# Altium PCB 水杯V1.2_ZM_20210817.PcbDoc
Units mil, origin at the board's own origin, x right, y up, seen from the top; angles counter-clockwise.
Board outline 2539.37 x 2480.32 mil, 2 copper layers (Top Layer, Bottom Layer), stack 65.792 mil thick; 139 components, 83 nets, 377 pads, 311 vias.
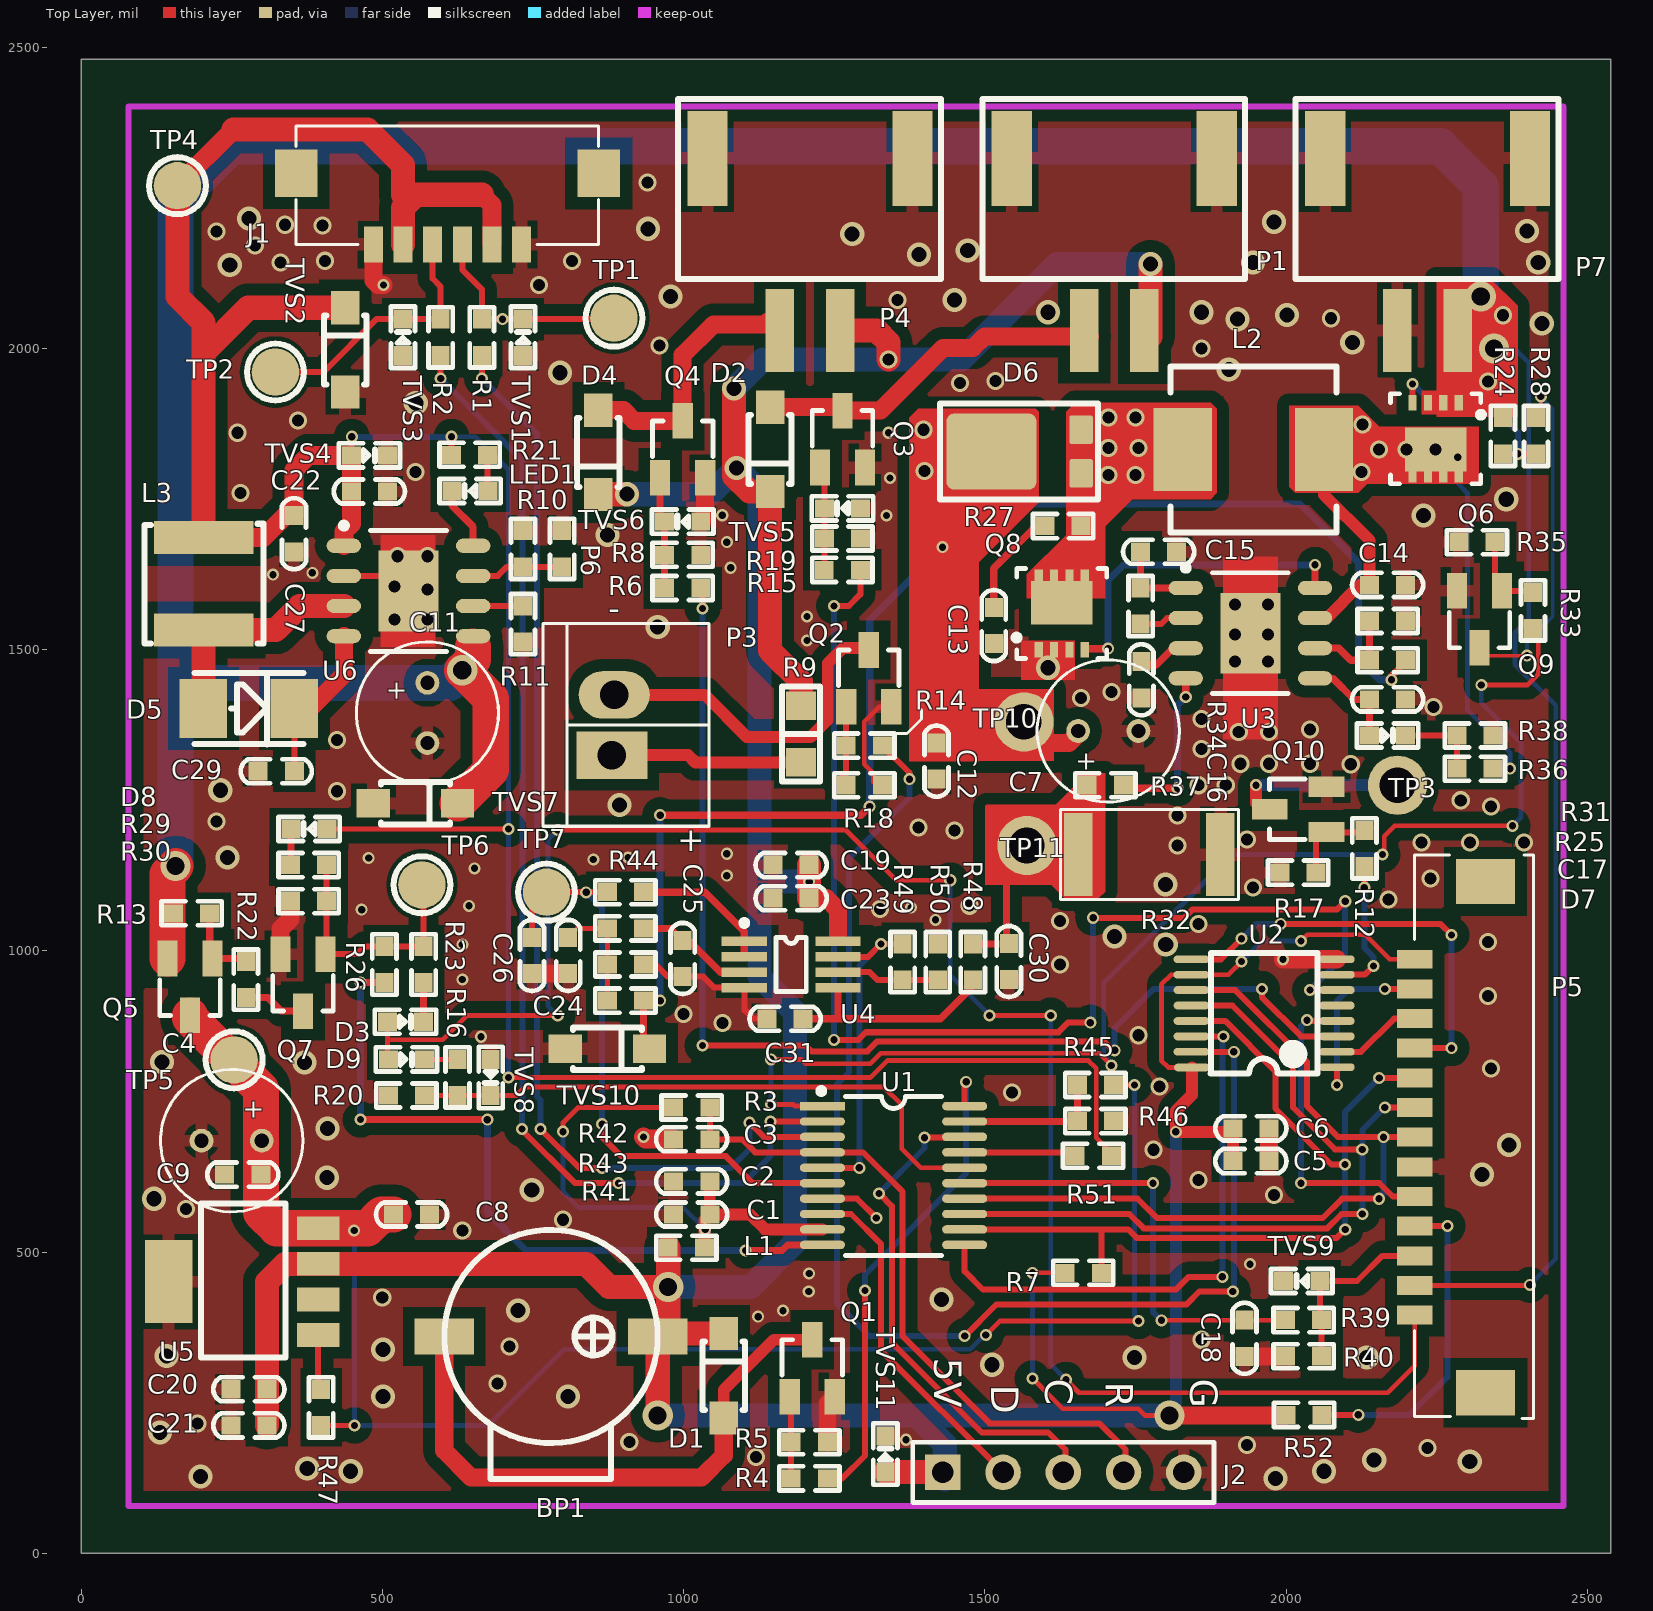
[diagram p0: Top Layer view]
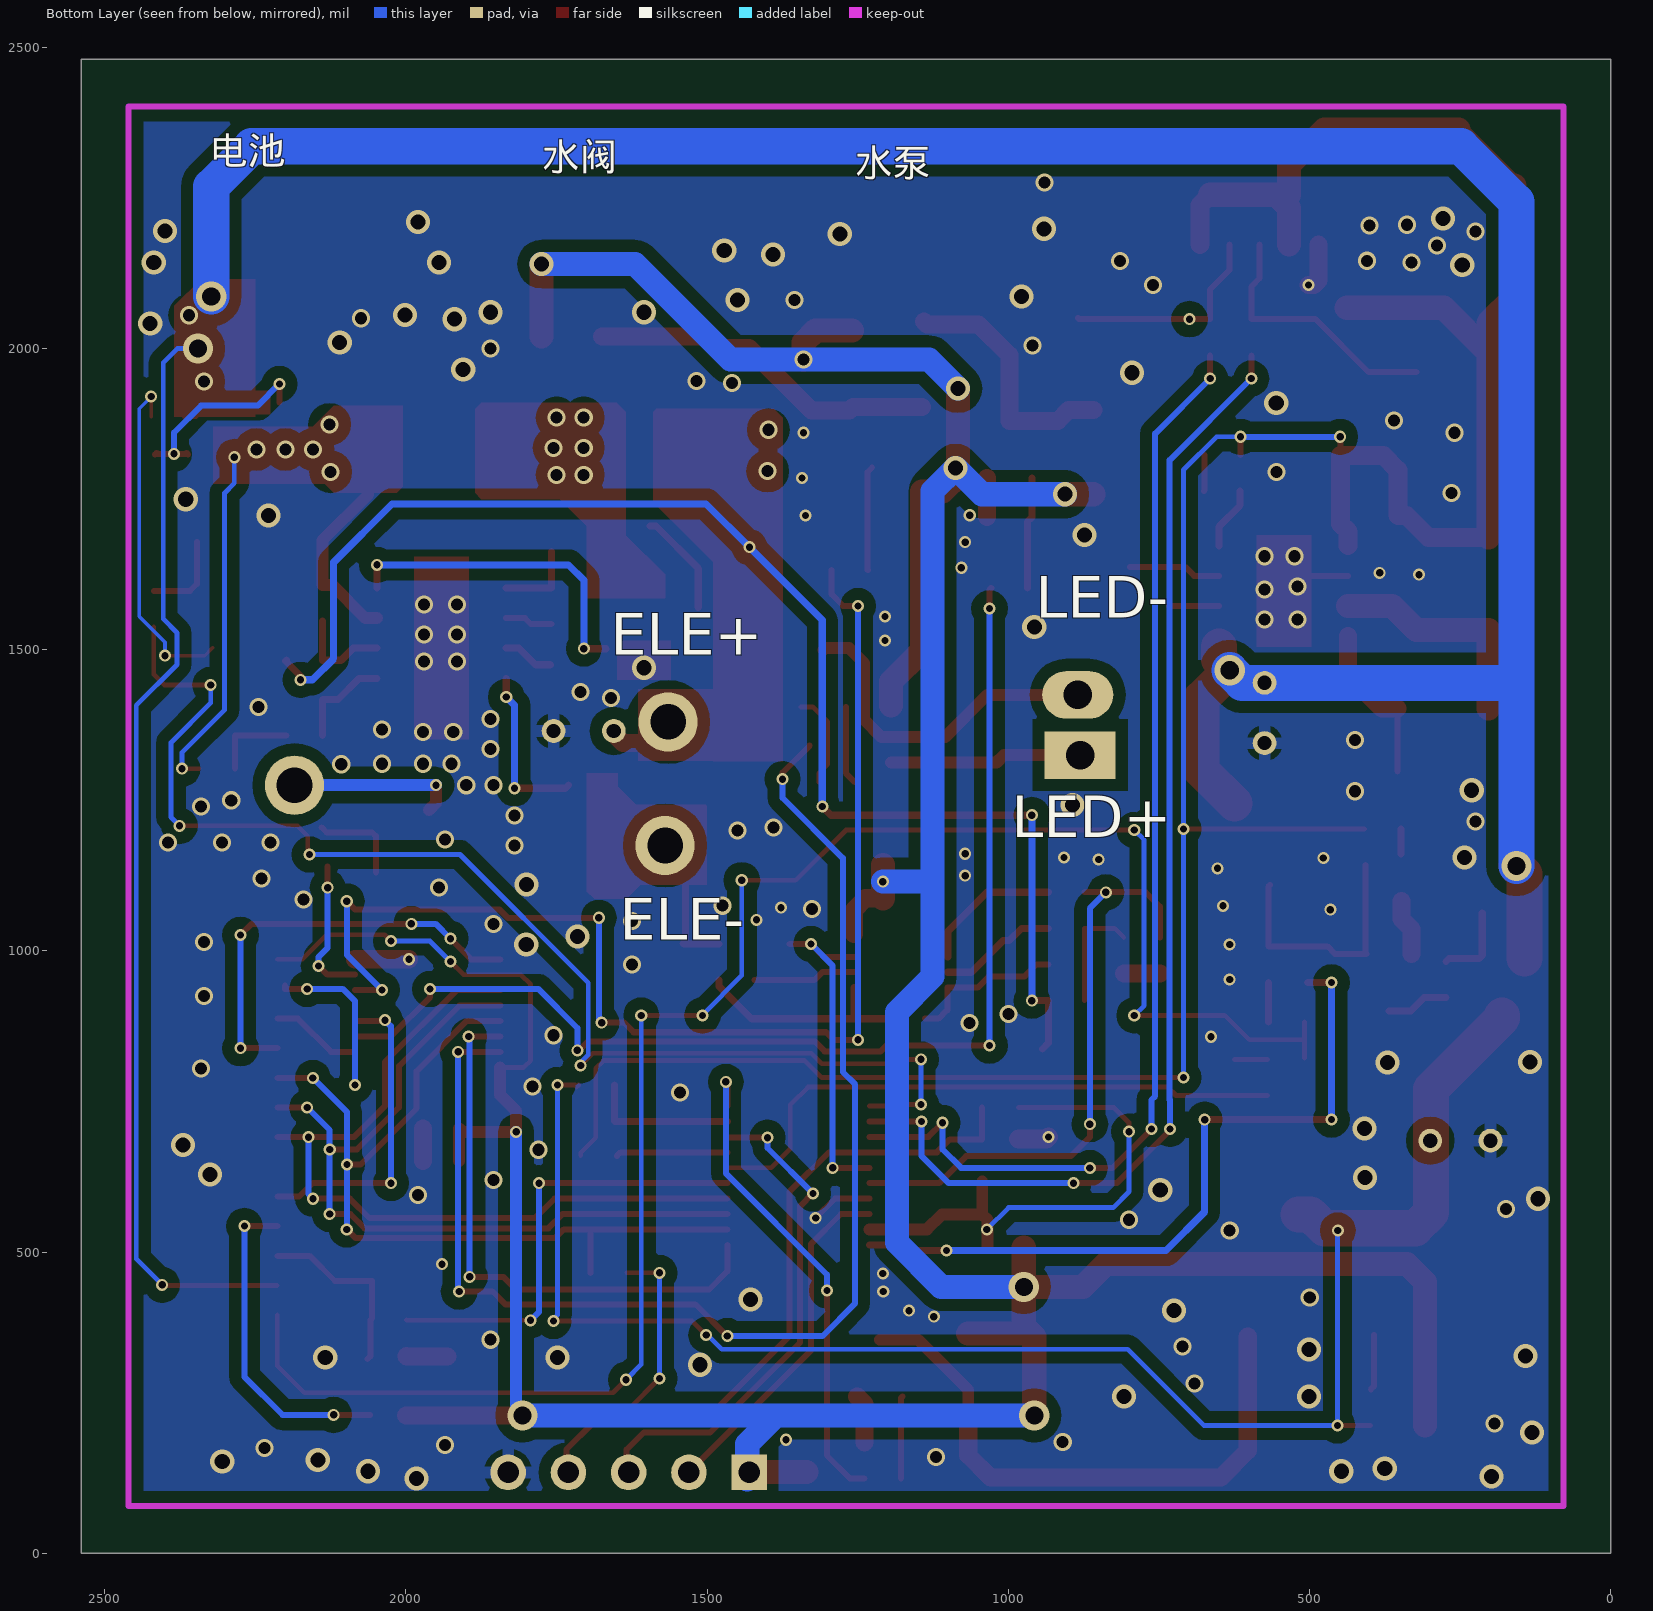
[diagram p1: Bottom Layer view, seen from below]
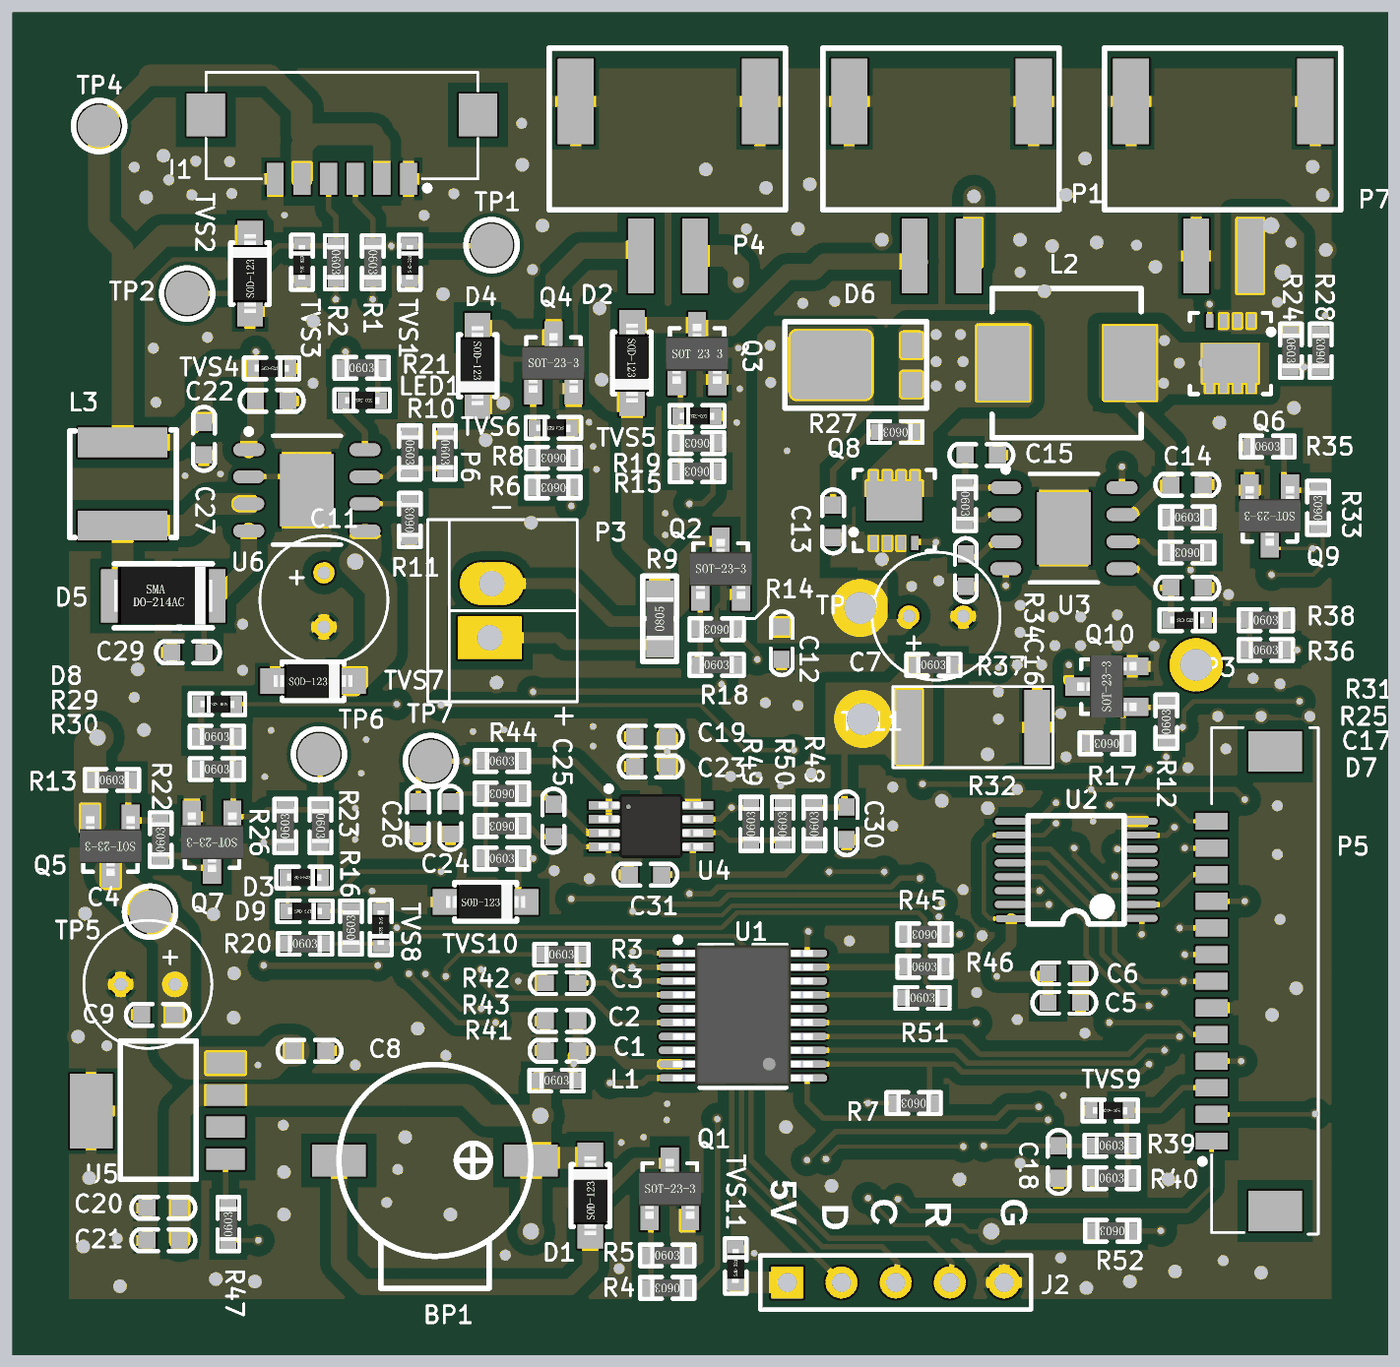
[diagram p2: 3D render of the assembled board from above, using the file's embedded part models]

## Layer stack, top to bottom
Top Solder: solder mask 0.4, Solder Resist, Dk 3.5
Top Layer: signal copper 1.4
Dielectric1: dielectric 62.9921, FR-4, Dk 4.8
Bottom Layer: signal copper 1.4
Bottom Solder: solder mask 0.4, Solder Resist, Dk 3.5

## Board outline
0,0 2539.37,0 2539.37,2480.32 0,2480.32

## Design rules (kind name [scope] priority, off if disabled: settings)
Clearance Clearance_1 [All vs InPolygon] p1: gap=20
Clearance [All] p2: gap=4
HoleSize [All] p1: absolutevalues=TRUE maxlimit=3000 minlimit=5 maxpercent=80.000 minpercent=20.000
MinimumSolderMaskSliver [All] p1: minsoldermaskwidth=1
NetAntennae [All] p1: netantennaetolerance=100
PolygonConnect PolygonConnect_1 [isvia] p1: connectstyle=Direct reliefconductorwidth=10 reliefentries=4 polygonreliefangle="90 Angle" airgapwidth=10
PolygonConnect [All] p2: connectstyle=Relief reliefconductorwidth=20 reliefentries=4 polygonreliefangle="90 Angle" airgapwidth=10
RoutingVias [All] p1: holewidth=28 width=50 viastyle="Through Hole" minholewidth=28 minwidth=50 maxholewidth=28 maxwidth=50
SolderMaskExpansion [All] p1: expansion=4
Width [All] p1: maxlimit=200 minlimit=6 preferedwidth=10
27 further rules are at their usual default settings.

## Classes and differential pairs
component class "MCU ": BP1 C1 C2 C3 C5 C6 D1 D2 D4 J1 J2 L1 P1 P3 P4 P5 Q1 Q2 Q3 Q4 Q10 R1 R2 R3 R4 R5 R6 R7 R8 R9 R12 R14 R15 R17 R18 R19 R45 R46 R51 TP1 TP2 TP3 TVS1 TVS2 TVS3 TVS5 TVS6 U1 U2
component class POWER: C4 C7 C8 C9 C11 C12 C13 C14 C15 C16 C17 C18 C19 C20 C21 C22 C23 C24 C25 C26 C27 C29 C30 C31 D3 D5 D6 D7 D8 D9 L2 L3 LED1 P6 P7 Q5 Q6 Q7 Q8 Q9 R10 R11 R13 R16 R20 R21 R22 R23 R24 R25 R26 R27 R28 R29 R30 R31 R32 R33 R34 R35 R36 R37 R38 R39 R40 R41 R42 R43 R44 R47 R48 R49 R50 R52 TP4 TP5 TP6 TP7 TP10 TP11 TVS4 TVS7 TVS8 TVS9 TVS10 TVS11 U3 U4 U5 U6

## Components (designator, comment, footprint, x,y, rotation, side; value= is the part's Value field where it differs from the comment)
BP1 "KLJ-9032" SP9025 780,360 r0 top
C1 "10uF/25V" SMD-0603C 1013.6,562.43 r0 top
C2 "0.1uF/50V" SMD-0603C 1013.6,617.43 r0 top
C3 "0.1uF/50V" SMD-0603C 1013.6,687.28 r180 top
C4 "100uF/35V" 6*8 250,685 r0 top
C5 "10uF/25V" SMD-0603C 1941.71,651.04 r180 top
C6 "0.1uF/50V" SMD-0603C 1941.71,705.48 r180 top
C7 "100uF/35V" 6*8 1705,1365 r180 top
C8 "0.1uF/50V" SMD-0603C 548.6,562.43 r0 top
C9 "0.1uF/50V" SMD-0603C 268.49,628.73 r0 top
C11 "100uF/35V" 6*8 575,1395 r90 top
C12 "0.1uF/50V" SMD-0603C 1420,1315 r270 top
C13 "0.1uF/50V" SMD-0603C 1515,1540 r270 top
C14 "0.1uF/50V" SMD-0603C 2168.6,1607.43 r180 top
C15 "0.1uF/50V" SMD-0603C 1788.6,1662.43 r180 top
C16 "0.1uF/50V" SMD-0603C 1760,1450 r90 top
C17 "0.1uF/50V" SMD-0603C 2168.6,1417.43 r180 top
C18 "0.1uF/50V" SMD-0603C 1931.18,357.08 r90 top
C19 "10uF/25V" SMD-0603C 1178.6,1142.43 r0 top
C20 "0.1uF/50V" SMD-0603C 278.6,272.43 r180 top
C21 "10uF/25V" SMD-0603C 278.6,212.43 r0 top
C22 "10uF/25V" SMD-0603C 478.6,1762.43 r180 top
C23 "0.1uF/50V" SMD-0603C 1178.6,1087.43 r0 top
C24 "0.1uF/50V" SMD-0603C 808.6,992.43 r90 top
C25 "0.1uF/50V" SMD-0603C 998.6,987.43 r90 top
C26 "100pF/50V" SMD-0603C 748.6,992.43 r270 top
C27 "1uF/50V" SMD-0603C 353.6,1692.43 r270 top
C29 "22uF/35V" SMD-0603C 324.06,1298.14 r0 top
C30 "0.1uF/50V" SMD-0603C 1540,982.43 r90 top
C31 "0.1uF/50V" SMD-0603C 1168.6,887.43 r0 top
D1 "1N4148" SOD-123 1066.8,294.95 r90 top
D2 "1N4148" SOD-123 1143.6,1832.43 r270 top
D3 "1N4148" SOD-523 538.6,882.43 r0 top
D4 "1N4148" SOD-123 858.6,1827.43 r270 top
D5 "SS34" DO-214-AC 278.6,1402.43 r0 top
D6 "SVM1045V2" TO227 1532.05,1828.78 r90 top
D7 "1N4148" SOD-523 2168.6,1357.43 r0 top
D8 "1N4148" SOD-523 378.6,1202.43 r180 top
D9 "1N4148" SOD-523 540,820 r0 top
J1 "6×1.25mmSMT" 6×1.25mmSMT 731.24,2172.43 r180 top
J2 "OCDD" sip-5 1630.42,134.58 r0 top
L1 "GZ1608D101TF" SMD-0603 1004.6,507.43 r0 top
L2 "15uH/4A" INDUCTOR7*7 2062.86,1832.43 r180 top
L3 "SWPA5040-2.2uH" INDUCTOR_5*5 203.6,1685.98 r270 top
LED1 "蓝光 3528" SMD-0603D 645.81,1763.36 r180 top
P1 "" 2*2.54mmSMT 1765.08,2030 r180 top
P3 "Header 2" 2X2.54MMZ 881.06,1325 r90 top
P4 "" 2*2.54mmSMT 1260,2030 r180 top
P5 "Header 13" 13×1.25mmSMT 2213.6,395.58 r90 top
P6 "NTC0603-104J4000NT" SMD-0603 798.6,1667.43 r270 top
P7 "PH2.0-2P-LI" 2*2.54mmSMT 2284.92,2030 r180 top
Q1 "S8050" SOT-23 1213.6,307.43 r0 top
Q2 "S8050" SOT-23 1307.4,1452.24 r0 top
Q3 "AO3400" SOT-23 1263.76,1849.54 r0 top
Q4 "AO3400" SOT-23 998.6,1832.43 r0 top
Q5 "AO3401" SOT-23 181.01,940.19 r180 top
Q6 "AON3419" DFN3*3-8 2248.39,1849.96 r180 top
Q7 "S8050" SOT-23 368.6,947.43 r180 top
Q8 "AON7506" DFN3*3-8 1627.8,1560.04 r0 top
Q9 "S8050" SOT-23 2321.01,1550.19 r180 top
Q10 "S8050" SOT-23 2020,1235 r90 top
R1 "1K" SMD-0603 665.27,2018.43 r270 top
R2 "1K" SMD-0603 596.94,2018.43 r270 top
R3 "10K" SMD-0603 1013.6,740.07 r0 top
R4 "4.7K" SMD-0603 1208.76,124.54 r180 top
R5 "47K" SMD-0603 1208.76,184.54 r0 top
R6 "100R" SMD-0603 998.6,1602.43 r180 top
R7 "10K" SMD-0603 1663.45,465.76 r180 top
R8 "10K" SMD-0603 998.6,1657.43 r180 top
R9 "100R" SMD-0805 1195,1360 r90 top
R10 "82K/1%" SMD-0603 733.6,1667.43 r270 top
R11 "10K/0.1%" SMD-0603 733.6,1542.43 r90 top
R12 "1K" SMD-0603 2130,1170 r90 top
R13 "47K" SMD-0603 183.6,1062.43 r0 top
R14 "1K" SMD-0603 1300,1340.76 r180 top
R15 "100R" SMD-0603 1263.6,1632.43 r180 top
R16 "6.8K" SMD-0603 625,790 r90 top
R17 "47K" SMD-0603 2020,1130 r180 top
R18 "47K" SMD-0603 1300,1275 r0 top
R19 "10K" SMD-0603 1263.76,1684.54 r180 top
R20 "10K" SMD-0603 540,760 r0 top
R21 "1K" SMD-0603 644.81,1823.36 r0 top
R22 "1K" SMD-0603 273.6,952.43 r90 top
R23 "6.8K" SMD-0603 568.6,977.43 r270 top
R24 "47K" SMD-0603 2360,1855 r270 top
R25 "130K/1%" SMD-0603 2168.6,1482.43 r180 top
R26 "1K" SMD-0603 503.6,977.43 r90 top
R27 "1K" SMD-0603 1630,1705 r180 top
R28 "1K" SMD-0603 2415,1855 r90 top
R29 "1K" SMD-0603 377.6,1142.43 r0 top
R30 "10K" SMD-0603 377.6,1082.43 r0 top
R31 "8.6K/1%" SMD-0603 2168.6,1547.43 r0 top
R32 "0.2/1W" 2512R 1891.22,1160 r180 top
R33 "1K" SMD-0603 2410,1565 r90 top
R34 "100K" SMD-0603 1758.6,1572.43 r270 top
R35 "47K" SMD-0603 2316.93,1678.34 r0 top
R36 "62K" SMD-0603 2313.6,1302.43 r0 top
R37 "10K/0.1%" SMD-0603 1700,1275 r0 top
R38 "22K" SMD-0603 2313.6,1357.43 r0 top
R39 "1K" SMD-0603 2029.07,387.23 r0 top
R40 "5.1K" SMD-0603 2029.07,327.23 r0 top
R41 "100K" SMD-0603 903.6,917.43 r0 top
R42 "10K" SMD-0603 903.6,1037.43 r180 top
R43 "10K" SMD-0603 903.6,977.43 r180 top
R44 "1K" SMD-0603 903.6,1097.43 r0 top
R45 "100K" SMD-0603 1683.6,777.43 r180 top
R46 "100K" SMD-0603 1683.6,717.43 r0 top
R47 "10K" SMD-0603 398.6,242.43 r90 top
R48 "10K" SMD-0603 1480.27,981.43 r90 top
R49 "100K" SMD-0603 1363.6,981.43 r90 top
R50 "10K" SMD-0603 1421.94,981.43 r90 top
R51 "10K" SMD-0603 1680,660 r0 top
R52 "1K" SMD-0603 2030,230 r180 top
TP1 "testpoint" TP 884.53,2050.07 r0 top
TP2 "testpoint" TP 322.62,1960.67 r0 top
TP3 "TPS" HOLE 2185,1275 r0 top
TP4 "testpoint" TP 160,2270 r0 top
TP5 "testpoint" TP 254.19,819.22 r0 top
TP6 "testpoint" TP 565.91,1109.74 r0 top
TP7 "testpoint" TP 772.64,1097.43 r0 top
TP10 "TPS" HOLE 1565,1380 r90 top
TP11 "TPS" HOLE 1570,1175 r90 top
TVS1 "ESD5Z5.0CT1G" SOD-523 733.6,2018.43 r90 top
TVS2 "SMF5.0CA" SOD-123 438.6,1997.43 r90 top
TVS3 "ESD5Z5.0CT1G" SOD-523 534.39,2018.43 r90 top
TVS4 "ESD5Z5.0CT1G" SOD-523 478.6,1822.43 r0 top
TVS5 "ESD5Z5.0CT1G" SOD-523 1263.76,1734.54 r180 top
TVS6 "ESD5Z5.0CT1G" SOD-523 998.6,1712.43 r180 top
TVS7 "SMF9.0CA" SOD-123 555,1245 r0 top
TVS8 "ESD5Z5.0CT1G" SOD-523 680,790 r270 top
TVS9 "ESD5Z5.0CT1G" SOD-523 2026.18,452.08 r180 top
TVS10 "SMF24CA" SOD-123 873.6,837.43 r0 top
TVS11 "ESD5Z5.0CT1G" SOD-523 1335,165 r90 top
U1 "N76E003AT20" TSSOP20 1348.6,627.43 r0 top
U2 "74HC595" SSOP-16 1963.68,896.55 r90 top
U3 "FP7208" SOP127P600X265_HS-9N 1940.89,1527.43 r0 top
U4 "SGM358YMS/TR" MSOP-8 1178.6,977.43 r0 top
U5 "LP38692MPX-5.0" SOT223-5 393.6,451.02 r90 top
U6 "CS5090" SOP127P600X265_HS-9N 543.6,1597.43 r0 top

## Footprints (in the part's own frame and the unit in brackets; to place one, negate y for a bottom-side part, rotate by r counter-clockwise, add the part's x,y. Pads: shape width x height; smd on the part's side, far side on the other; paste and mask are expansions set on the pad)
2*2.54mmSMT [mm]
  rect 1.2x3.5 smd: 1(0,0) 2(2.54,0)
  rect 1.7x4 smd: 3(5.59,-7.25) 4(-3.05,-7.25)
  silkscreen extent -4.24,-9.75 6.83,-2.16
2X2.54MMZ [mm]
  rect 2x3 hole 1.2: 1(0,0)
  oval 2x3 hole 1.2: 2(2.54,-0.1)
  silkscreen extent -3,-4.1 5.54,2.9
6*8 [mm]
  round 1 hole 0.6: 1(1.27,0) 2(-1.27,0)
  silkscreen extent -3,-3 3,3
6×1.25mmSMT [mm]
  rect 1.8x2 smd: 0(-3.25,-3) 0(9.5,-3)
  rect 0.8x1.5 smd: 1(0,0) 2(1.25,0) 3(2.5,0) 4(3.75,0) 5(5,0) 6(6.25,0)
  round 0.5 on Top Overlay: ""(-0.875,0.432)
  silkscreen extent -3.25,-5 9.5,0
13×1.25mmSMT [mm]
  rect 1.9x2.5 smd: 0(-3.275,-2.985) 0(18.275,-2.985)
  rect 0.8x1.5 smd: 1(0,0) 2(1.25,0) 3(2.5,0) 4(3.75,0) 5(5,0) 6(6.25,0) 7(7.5,0) 8(8.75,0) 9(10,0) 10(11.25,0) 11(12.5,0) 12(13.75,0) 13(15,0)
  round 0.5 on Top Overlay: ""(-0.95,0.432)
  silkscreen extent -4.37,-5 19.39,0
2512R [mm]
  rect 1.2x3.5 smd: 1(0,0) 2(6,0)
  silkscreen extent -0.75,-1.9 6.75,1.9
DFN3*3-8 [mm] "QFN, 16-Leads, Body 3.30x3.30mm, Pitch 0.65mm, Thermal Pad 2.45x2.45mm, IPC Medium Density"
  rect 0.35x0.65 smd: 1(0.975,-1.525) 2(-0.975,1.525) 2(-0.325,1.525) 2(0.325,1.525) 2(0.975,1.525) 3(-0.975,-1.525) 3(-0.325,-1.525) 3(0.325,-1.525)
  rect 2.6x1.84 smd: 2(0,0.45)
  silkscreen extent -2.03,-1.9 1.9,1.9, body extent -1.75,-1.75 1.75,1.75, height 0.8
DO-214-AC [mm] "Molded Diode, 2-Leads, Body 4.5x2.6mm, IPC Medium Density"
  rect 2x2.5 smd: 1(-1.915,0) 2(1.915,0)
  silkscreen extent -2.3,-1.52 2.3,1.5, body extent -2.3,-1.35 2.3,1.35, height 2.4
HOLE [mm]
  round 2.5 hole 1.5: 1(0,0)
INDUCTOR7*7 [mm]
  rect 2.45x3.5 smd: 1(0,0) 2(5.95,0)
  silkscreen extent -0.53,-3.5 6.47,3.5
INDUCTOR_5*5 [mm]
  rect 1.4x4.2 smd: 1(0,0) 2(3.9,0)
  silkscreen extent -0.58,-2.49 4.47,2.51
MSOP-8 [mm] "TSOP, 8-Leads, Body 3.1x3.1mm (max), Pitch 0.65mm, IPC Medium Density"
  rect 1.9x0.4 smd: 1(-1.975,0.975) 2(-1.975,0.325) 3(-1.975,-0.325) 4(-1.975,-0.975) 5(1.975,-0.975) 6(1.975,-0.325) 7(1.975,0.325) 8(1.975,0.975)
  silkscreen extent -2.1,-1.14 0.64,1.87, body extent -2.45,-1.5 2.45,1.5, height 1.15
sip-5 [mm]
  rect 1.5x1.5 hole 0.9: 1(-5.08,0)
  round 1.5 hole 0.9: 2(-2.54,0) 3(0,0) 4(2.54,0) 5(5.08,0)
  silkscreen extent -6.35,-1.27 6.35,1.27
SMD-0603 [mil] "W1/32贴片电阻"
  rect 31.5x30 smd: 1(-30,0) 2(30,0)
  silkscreen extent -50,-20 50,20, body extent -31,-16 31,16, height 18
SMD-0603C [mil] "贴片电容"
  rect 31.5x30 smd: 1(-30,0) 2(30,0)
  silkscreen extent -59,-20 59,20, body extent -31,-16 32,16
SMD-0603D [mil] "贴片二极管"
  rect 31.5x30 smd: 1(-30,0) 2(30,0)
  silkscreen extent -51,-20 51,20, body extent -31,-16 31,16, height 26
SMD-0805 [mm] "贴片电阻"
  rect 1.2x1.27 smd: 1(-1.2,0) 2(1.2,0)
  silkscreen extent -2,-0.8 2,0.8, body extent -1,-0.63 1,0.63, height 0.55
SOD-123 [mm]
  rect 1.4x1.2 smd: 1(-1.778,0) 2(1.778,0)
  silkscreen extent -1.45,-0.9 1.45,0.9, body extent -1.85,-0.8 1.85,0.8, height 1.2
SOD-523 [mil] "贴片二极管"
  rect 31.5x30 smd: 1(-30,0) 2(30,0)
  silkscreen extent -51,-20 51,20, body extent -31,-16 31,16, height 26
SOP127P600X265_HS-9N [mm] "SOP, 8-Leads, Body 4.90x3.90mm, Pitch 1.27mm, Thermal Pad 3.40x2.52mm, IPC Medium Density"
  oval 1.45x0.6 smd: 1(-2.725,1.905) 2(-2.725,0.635) 3(-2.725,-0.635) 4(-2.725,-1.905) 5(2.725,-1.905) 6(2.725,-0.635) 7(2.725,0.635) 8(2.725,1.905)
  rect 2.52x3.4 smd: 9(0,0)
  silkscreen extent -2.85,-2.55 1.6,2.88, body extent -2,-2.55 2,2.55, height 2.65
SOT223-5 [mm]
  rect 1x1.8 smd: 1(-2.25,0) 2(-0.75,0) 3(0.75,0) 4(2.25,0)
  rect 3.5x2 smd: 5(0,6.3)
  silkscreen extent -3.2,1.37 3.3,4.93
SOT-23 [mm]
  rect 0.85x1.5 smd: 1(-0.95,-1.2) 2(0.95,-1.2) 3(0,1.2)
  silkscreen extent -1.27,-0.3 1.28,1.2, body extent -1.45,-1.4 1.45,1.4, height 1.2
SP9025 [mm] "嗡鸣器"
  rect 2.5x1.5 smd: 1(4.5,0) 2(-4.5,0)
  silkscreen extent -4.5,-6 4.5,4.5
SSOP-16 [mm] "高密度SOP16"
  oval 0.33x1.5 smd: 1(-2.275,-3.069) 2(-1.625,-3.069) 3(-0.975,-3.069) 4(-0.325,-3.069) 5(0.325,-3.069) 6(0.975,-3.069) 7(1.625,-3.069) 8(2.275,-3.069) 9(2.275,3.069) 10(1.625,3.069) 11(0.975,3.069) 12(0.325,3.069) 13(-0.325,3.069) 14(-0.975,3.069) 15(-1.625,3.069) 16(-2.286,3.048)
  silkscreen extent -2.54,-2.25 2.54,2.26
TO227 [mm] "DPAK"
  rrect20% 1.2x1 smd: 1(-0.92,-3.25) 1(0.92,-3.25)
  rrect20% 3.2x3.8 smd: 2(0,0.533)
  silkscreen extent -2.02,-3.96 2.04,2.69